# Altium PCB BMS-P00-V02.PcbDoc (continued)
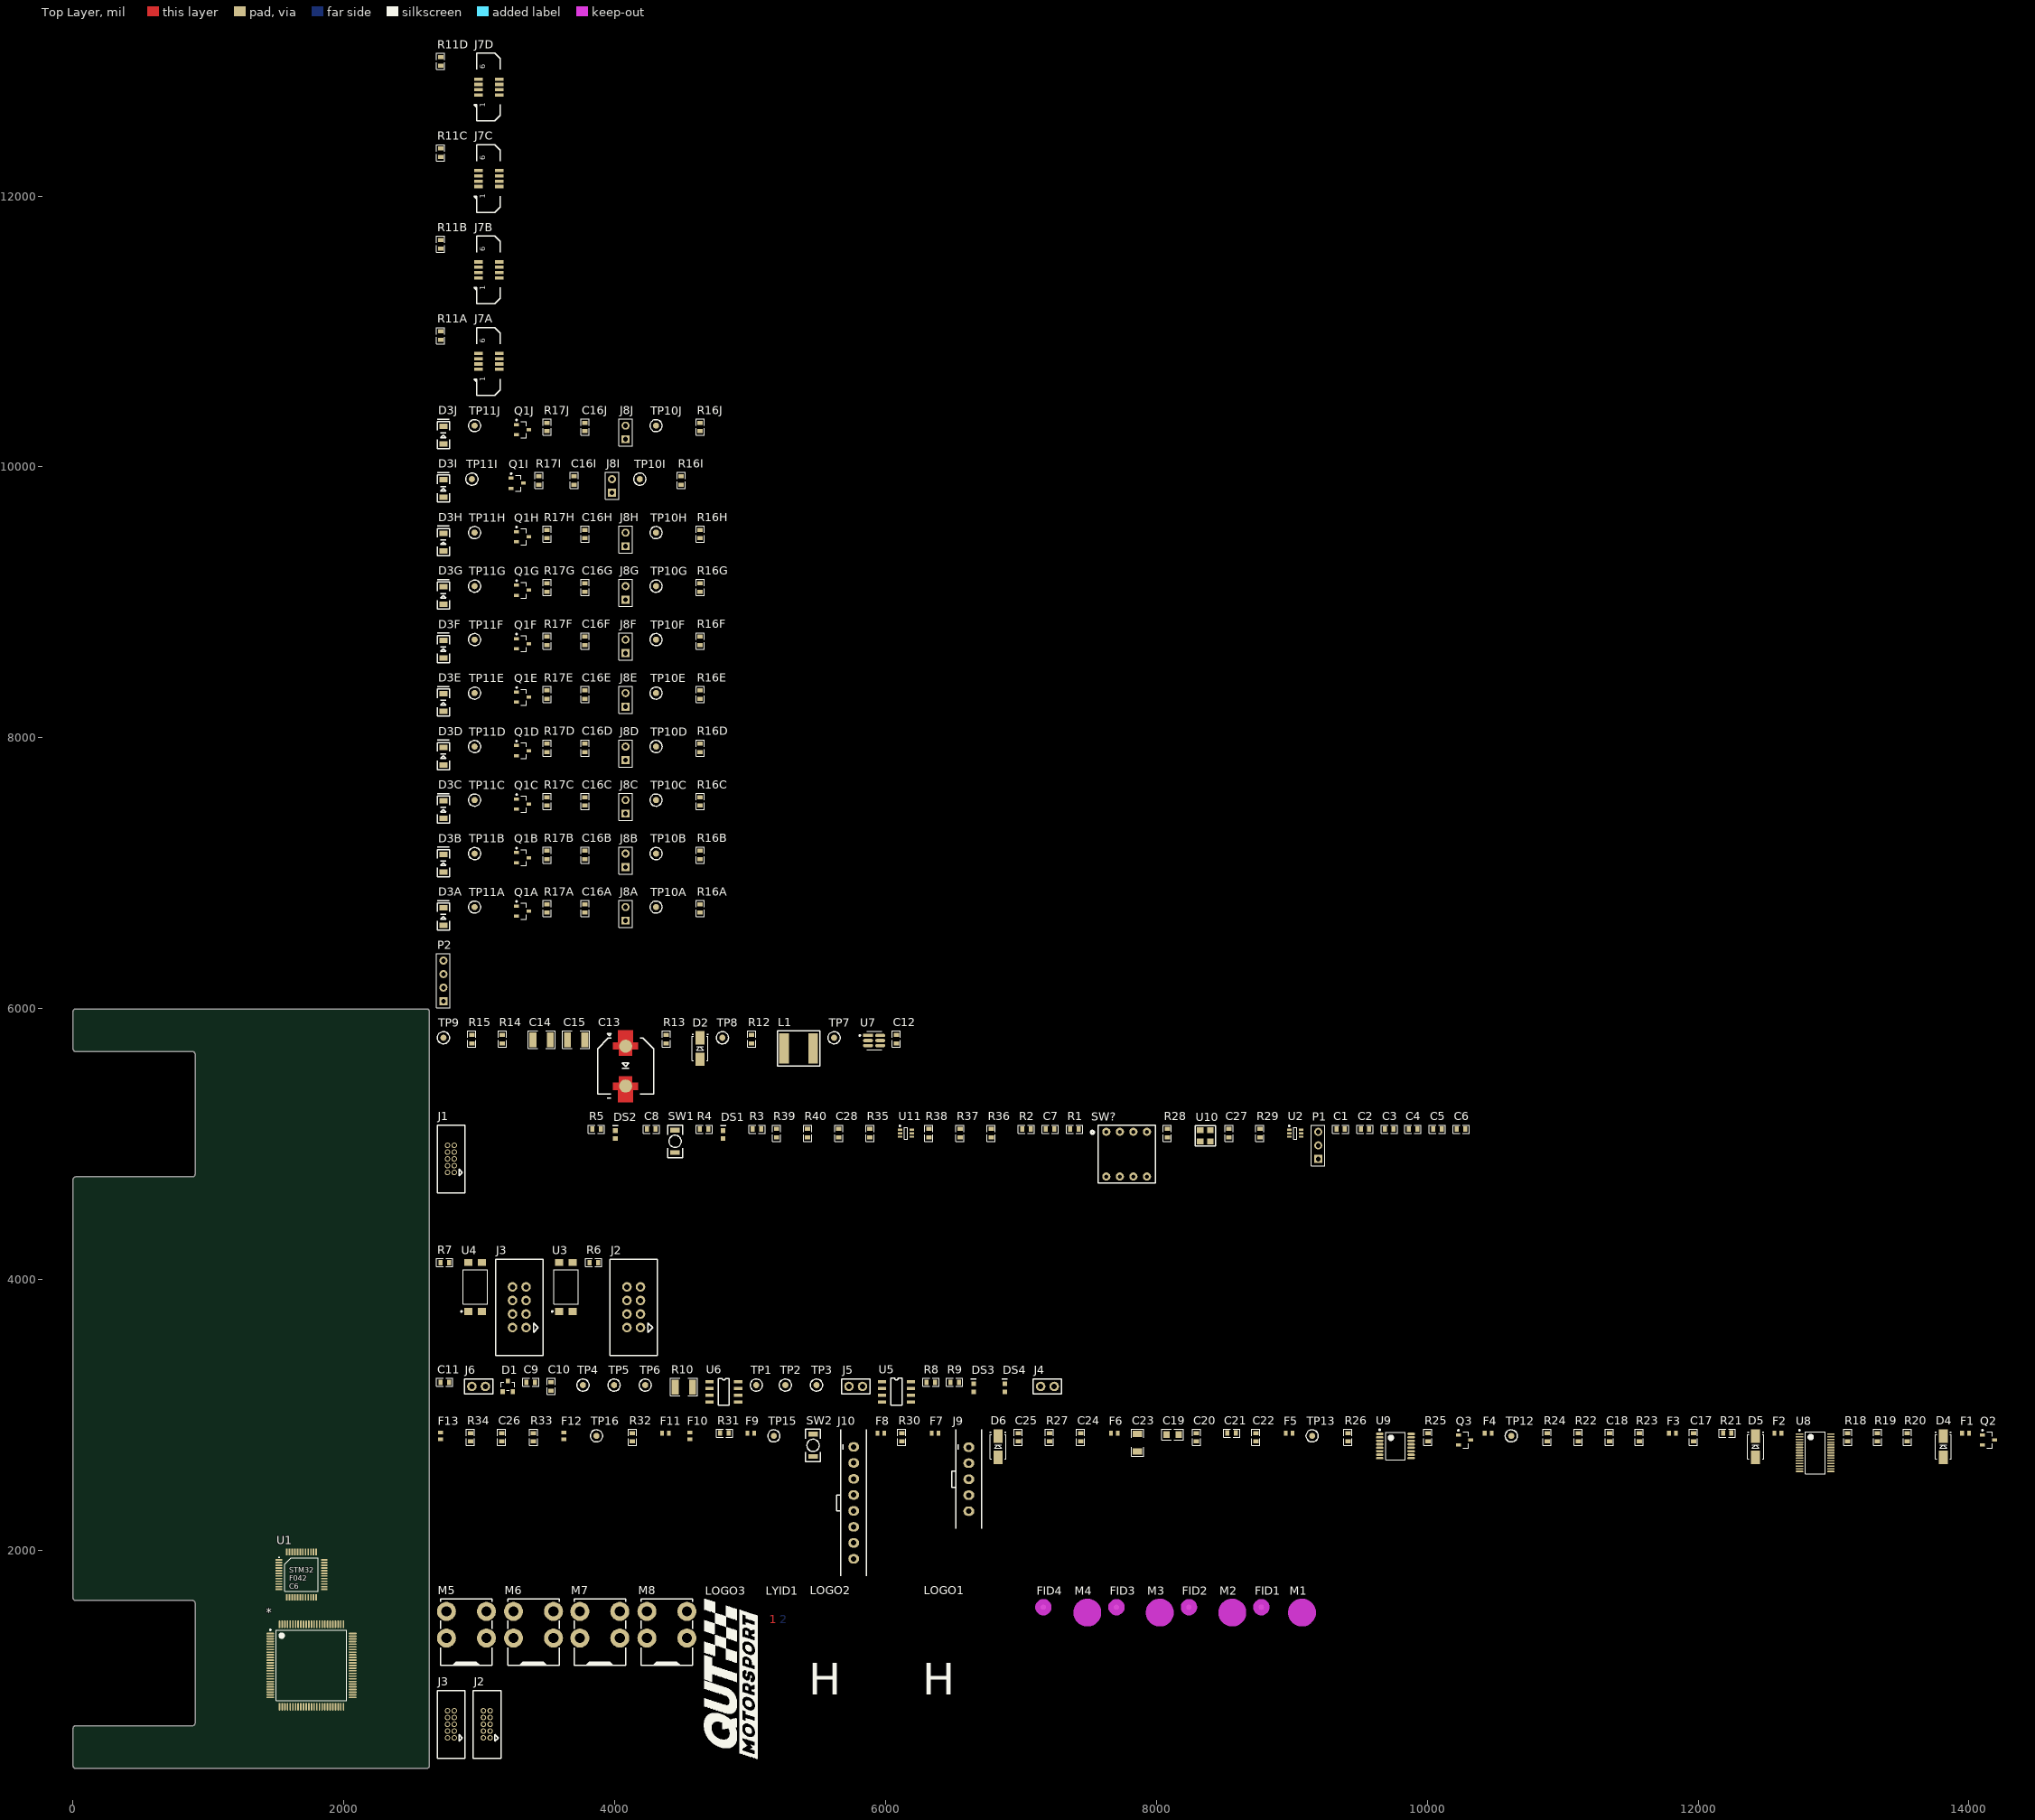
[diagram p0: Top Layer view]
## Components (designator, comment, footprint, x,y, rotation, side; value= is the part's Value field where it differs from the comment) (continued)
R9 "330R" Res_ThinFilm_0603 6510,3240 r0 top
R10 "120R 1% 1210" Res_ThinFilm_1210 4510,3205 r0 top
R11A "0R" Res_ThinFilm_0603 2715,10970 r90 top (schematic designator R11)
R11B "0R" Res_ThinFilm_0603 2715,11645 r90 top (schematic designator R11)
R11C "0R" Res_ThinFilm_0603 2715,12320 r90 top (schematic designator R11)
R11D "0R" Res_ThinFilm_0603 2715,12995 r90 top (schematic designator R11)
R12 "10k 1%" Res_ThinFilm_0603 5010,5775 r90 top
R13 "68k 5% 0603" Res_ThinFilm_0603 4380,5775 r90 top
R14 "620R 1%" Res_ThinFilm_0603 3170,5775 r90 top
R15 "20k 5% 0603" Res_ThinFilm_0603 2945,5775 r90 top
R16A "1k" Res_ThinFilm_0603 4630,6740 r90 top (schematic designator R16)
R16B "1k" Res_ThinFilm_0603 4630,7135 r90 top (schematic designator R16)
R16C "1k" Res_ThinFilm_0603 4630,7530 r90 top (schematic designator R16)
R16D "1k" Res_ThinFilm_0603 4630,7925 r90 top (schematic designator R16)
R16E "1k" Res_ThinFilm_0603 4630,8320 r90 top (schematic designator R16)
R16F "1k" Res_ThinFilm_0603 4630,8715 r90 top (schematic designator R16)
R16G "1k" Res_ThinFilm_0603 4630,9110 r90 top (schematic designator R16)
R16H "1k" Res_ThinFilm_0603 4630,9505 r90 top (schematic designator R16)
R16I "1k" Res_ThinFilm_0603 4490,9900 r90 top (schematic designator R16)
R16J "1k" Res_ThinFilm_0603 4630,10295 r90 top (schematic designator R16)
R17A "1k" Res_ThinFilm_0603 3500,6740 r90 top (schematic designator R17)
R17B "1k" Res_ThinFilm_0603 3500,7135 r90 top (schematic designator R17)
R17C "1k" Res_ThinFilm_0603 3500,7530 r90 top (schematic designator R17)
R17D "1k" Res_ThinFilm_0603 3500,7925 r90 top (schematic designator R17)
R17E "1k" Res_ThinFilm_0603 3500,8320 r90 top (schematic designator R17)
R17F "1k" Res_ThinFilm_0603 3500,8715 r90 top (schematic designator R17)
R17G "1k" Res_ThinFilm_0603 3500,9110 r90 top (schematic designator R17)
R17H "1k" Res_ThinFilm_0603 3500,9505 r90 top (schematic designator R17)
R17I "1k" Res_ThinFilm_0603 3440,9900 r90 top (schematic designator R17)
R17J "1k" Res_ThinFilm_0603 3500,10295 r90 top (schematic designator R17)
R18 "10k" Res_ThinFilm_0603 13105,2835 r90 top
R19 "10k" Res_ThinFilm_0603 13325,2835 r90 top
R20 "10M" Res_ThinFilm_0603 13545,2835 r90 top
R21 "10k" Res_ThinFilm_0603 12215,2865 r0 top
R22 "10k" Res_ThinFilm_0603 11115,2835 r90 top
R23 "0R" Res_ThinFilm_0603 11565,2835 r90 top
R24 "10k" Res_ThinFilm_0603 10885,2835 r90 top
R25 "100R" Res_ThinFilm_0603 10005,2835 r90 top
R26 "100R" Res_ThinFilm_0603 9415,2835 r90 top
R27 "10k" Res_ThinFilm_0603 7210,2835 r90 top
R28 "10k" Res_ThinFilm_0603 8080,5080 r90 top
R29 "10k 5% 0603" Res_ThinFilm_0603 8765,5080 r90 top
R30 "10k" Res_ThinFilm_0603 6120,2835 r90 top
R31 "10k" Res_ThinFilm_0603 4810,2865 r0 top
R32 "1k" Res_ThinFilm_0603 4130,2835 r90 top
R33 "10k" Res_ThinFilm_0603 3400,2835 r90 top
R34 "DNF 0603" Res_ThinFilm_0603 2935,2835 r90 top
R35 "10k" Res_ThinFilm_0603 5885,5080 r90 top
R36 "10k" Res_ThinFilm_0603 6780,5080 r90 top
R37 "10k" Res_ThinFilm_0603 6550,5080 r90 top
R38 "10k" Res_ThinFilm_0603 6320,5080 r90 top
R39 "2k2" Res_ThinFilm_0603 5195,5080 r90 top
R40 "2k2" Res_ThinFilm_0603 5425,5080 r90 top
SW1 "B3U-1000P" "BTN B3U-1000P" 4445,5020 r90 top
SW2 "B3U-1000P" "BTN B3U-1000P" 5465,2775 r90 top
SW? "SM1020" SM1020 7630,4760 r0 top
TP1 "TestPoint_SMD" TestPointSMD 5045,3220 r0 top
TP2 "TestPoint_SMD" TestPointSMD 5260,3220 r0 top
TP3 "TestPoint_SMD" TestPointSMD 5490,3220 r0 top
TP4 "TestPoint_SMD" TestPointSMD 3765,3220 r0 top
TP5 "TestPoint_SMD" TestPointSMD 3995,3220 r0 top
TP6 "TestPoint_SMD" TestPointSMD 4225,3220 r0 top
TP7 "TestPoint_SMD" TestPointSMD 5620,5785 r0 top
TP8 "TestPoint_SMD" TestPointSMD 4795,5785 r0 top
TP9 "TestPoint_SMD" TestPointSMD 2735,5785 r0 top
TP10A "TestPoint_SMD" TestPointSMD 4305,6750 r90 top (schematic designator TP10)
TP10B "TestPoint_SMD" TestPointSMD 4305,7145 r90 top (schematic designator TP10)
TP10C "TestPoint_SMD" TestPointSMD 4305,7540 r90 top (schematic designator TP10)
TP10D "TestPoint_SMD" TestPointSMD 4305,7935 r90 top (schematic designator TP10)
TP10E "TestPoint_SMD" TestPointSMD 4305,8330 r90 top (schematic designator TP10)
TP10F "TestPoint_SMD" TestPointSMD 4305,8725 r90 top (schematic designator TP10)
TP10G "TestPoint_SMD" TestPointSMD 4305,9120 r90 top (schematic designator TP10)
TP10H "TestPoint_SMD" TestPointSMD 4305,9515 r90 top (schematic designator TP10)
TP10I "TestPoint_SMD" TestPointSMD 4185,9910 r90 top (schematic designator TP10)
TP10J "TestPoint_SMD" TestPointSMD 4305,10305 r90 top (schematic designator TP10)
TP11A "TestPoint_SMD" TestPointSMD 2965,6750 r90 top (schematic designator TP11)
TP11B "TestPoint_SMD" TestPointSMD 2965,7145 r90 top (schematic designator TP11)
TP11C "TestPoint_SMD" TestPointSMD 2965,7540 r90 top (schematic designator TP11)
TP11D "TestPoint_SMD" TestPointSMD 2965,7935 r90 top (schematic designator TP11)
TP11E "TestPoint_SMD" TestPointSMD 2965,8330 r90 top (schematic designator TP11)
TP11F "TestPoint_SMD" TestPointSMD 2965,8725 r90 top (schematic designator TP11)
TP11G "TestPoint_SMD" TestPointSMD 2965,9120 r90 top (schematic designator TP11)
TP11H "TestPoint_SMD" TestPointSMD 2965,9515 r90 top (schematic designator TP11)
TP11I "TestPoint_SMD" TestPointSMD 2945,9910 r90 top (schematic designator TP11)
TP11J "TestPoint_SMD" TestPointSMD 2965,10305 r90 top (schematic designator TP11)
TP12 "TestPoint_SMD" TestPointSMD 10620,2845 r90 top
TP13 "TestPoint_SMD" TestPointSMD 9150,2845 r90 top
TP15 "TestPoint_SMD" TestPointSMD 5175,2845 r90 top
TP16 "TestPoint_SMD" TestPointSMD 3865,2845 r90 top
U1 "STM32F042C6" STM32F042C6 1520,1928.42 r0 top
U2 "LM66100" LM66100 9025,5080 r0 top
U3 "FOD817ASD" FOD817ASD 3640,3945 r90 top
U4 "FOD817ASD" FOD817ASD 2970,3945 r90 top
U5 "Si8621BC-B-IS" Si8621BC-B-IS 6080,3170 r0 top
U6 "SN65HVD233" SN65HVD233DR 4805,3170 r0 top
U7 "LMR14010" LMR14010 5915,5765 r0 top
U8 "BQ76930" bq76930 12865,2720 r0 top
U9 "BQ76200" BQ76200 9765,2770 r0 top
U10 "DSC1001DI1-008.0000T" DSC1001DI1-008.0000TCT-ND 8360,5060 r0 top
U11 "LM66100" LM66100 6150,5080 r0 top

## Footprints (in the part's own frame and the unit in brackets; to place one, negate y for a bottom-side part, rotate by r counter-clockwise, add the part's x,y. Pads: shape width x height; smd on the part's side, far side on the other; paste and mask are expansions set on the pad)
3412.0124.22 [mm] "5A Fuse"
  rect 0.7x0.95 smd: 1(-0.65,0) 2(0.65,0)
  body extent -0.8,-0.48 0.8,0.48, height 0.55
526100672 [mil] "Easy-On FFC/FPC Connector, 1.00mm Pitch, Slider Series, Vertical, 5.75mm Height, 6 Circuits, Gold Plating"
  rect 24x65 smd: 2(-59.06,76.77) 2(-59.06,-76.77) 3(-19.68,76.77) 3(-19.68,-76.77) 4(19.68,76.77) 4(19.68,-76.77) 5(59.06,76.77) 5(59.06,-76.77)
  silkscreen extent -250,-85 250,110, body extent -248,-89 248,89, height 224
BQ76200 [mm] "TSOP, 16-Leads, Body 5.00x4.40mm, Pitch 0.65mm, IPC Medium Density"
  oval 1.4x0.45 smd: 1(-2.95,2.275) 2(-2.95,1.625) 3(-2.95,0.975) 4(-2.95,0.325) 5(-2.95,-0.325) 6(-2.95,-0.975) 7(-2.95,-1.625) 8(-2.95,-2.275) 9(2.95,-2.275) 10(2.95,-1.625) 11(2.95,-0.975) 12(2.95,-0.325) 13(2.95,0.325) 14(2.95,0.975) 15(2.95,1.625) 16(2.95,2.275)
  silkscreen extent -3.07,-2.55 1.85,3.17, body extent -3.21,-2.55 3.22,2.55, height 1.11
bq76930 [mm] "TSSOP, 30-Leads, Body 7.80x4.40mm, Pitch 0.50mm, IPC Medium Density"
  oval 1.4x0.3 smd: 1(-2.95,3.5) 2(-2.95,3) 3(-2.95,2.5) 4(-2.95,2) 5(-2.95,1.5) 6(-2.95,1) 7(-2.95,0.5) 8(-2.95,0) 9(-2.95,-0.5) 10(-2.95,-1) 11(-2.95,-1.5) 12(-2.95,-2) 13(-2.95,-2.5) 14(-2.95,-3) 15(-2.95,-3.5) 16(2.95,-3.5) 17(2.95,-3) 18(2.95,-2.5) 19(2.95,-2) 20(2.95,-1.5) 21(2.95,-1) 22(2.95,-0.5) 23(2.95,0) 24(2.95,0.5) 25(2.95,1) 26(2.95,1.5) 27(2.95,2) 28(2.95,2.5) 29(2.95,3) 30(2.95,3.5)
  silkscreen extent -3.07,-3.95 1.85,4.32, body extent -2.25,-3.95 2.25,3.95, height 1.2
BST82,215 [mm] "SOT23, 3-Leads, Body 2.90x2.30mm, Pitch 0.95mm, IPC Medium Density"
  rect 0.9x0.6 smd: D(1.15,0) G(-1.15,0.95) S(-1.15,-0.95)
  silkscreen extent -1.27,-1.5 0.7,1.92, body extent -0.7,-1.5 0.7,1.5, height 1.1
"BTN B3U-1000P" [mil] "OMRON B3U-1000P"
  rect 35x70 smd: 1(-82.68,0) 2(82.68,0)
  silkscreen extent -120,-55 120,55, body extent -79,-49 79,49, height 63
CAP_ALU_10x10mm [mil]
  round 97.08 smd paste+0 mask+0: A(147.18,-0.5) K(-147.11,-0.5)
  Top Layer region: -76.74,-49.22 -76.74,49.21 -123.98,49.21 -123.98,92.52 -175.16,92.52 -175.16,55 -265,55 -265,-55 -175.16,-55 -175.16,-92.52 -123.98,-92.52 -123.98,-49.22
  Top Layer region: 76.8,-49.22 76.8,49.21 124.05,49.21 124.05,92.52 175.23,92.52 175.23,55 265,55 265,-55 175.23,-55 175.23,-92.52 124.05,-92.52 124.05,-49.22
  silkscreen extent -235,-207 240,207, body extent -236,-203 236,203, height 426
Cap_Ceramic_0603 [mil]
  rect 30x40 smd: 1(-31.24,0) 2(31.24,0)
  silkscreen extent -60,-30 60,30, body extent -31,-16 32,16, height 33
Cap_Ceramic_0805 [mil]
  rect 45x50 smd: 1(-45.43,0) 2(45.43,0)
  silkscreen extent -80,-40 80,40, body extent -39,-26 39,26, height 43
Cap_Ceramic_1206 [mil]
  rect 47x71 smd: 1(-66.08,0) 2(66.08,0)
  silkscreen extent -100,-45 100,45, body extent -63,-31 63,32, height 53
Cap_Ceramic_1210 [mm]
  rect 1.3x2.8 smd: 1(-1.625,0) 2(1.625,0)
  silkscreen extent -2.54,-1.65 2.54,1.65, body extent -1.6,-1.25 1.6,1.25, height 1.35
DSC1001DI1-008.0000TCT-ND [mil]
  rect 48x43 smd: 1(-37.4,41.34) 2(-37.4,-41.34) 3(37.4,-41.34) 4(37.4,41.34)
  silkscreen extent -75,-75 75,75, body extent -49,-63 49,63, height 33
"FIDUCIAL 1MM" [mm]
  round 1 smd mask+1: 1(0,0)
  round 1 smd far side mask+1: 1(0,0)
  Keep-Out Layer circle w1.524: c0,0 r0.762
FOD817ASD [mm]
  rect 1.3x1.5 smd: 1(-4.6,1.27) 2(-4.6,-1.27) 3(4.6,-1.27) 4(4.6,1.27)
  silkscreen extent -4.72,-2.3 3.25,2.69, body extent -5.08,-2.3 5.08,2.3, height 3.85
HDR1X2 [mm] "Connector; Header; 2 Position"
  rect 1.5x1.5 hole 0.9: 1(0,0)
  round 1.5 hole 0.9: 2(2.54,0)
  silkscreen extent -1.27,-1.27 3.81,1.27
HDR1X3 [mm] "Connector; Header; 3 Position"
  rect 1.5x1.5 hole 0.9: 1(0,0)
  round 1.5 hole 0.9: 2(2.54,0) 3(5.08,0)
  silkscreen extent -1.27,-1.27 6.35,1.27
HDR1X4 [mm] "Connector; Header; 4 Position"
  rect 1.5x1.5 hole 0.9: 1(0,0)
  round 1.5 hole 0.9: 2(2.54,0) 3(5.08,0) 4(7.62,0)
  silkscreen extent -1.27,-1.27 8.89,1.27
"IDC 1.27MM 10P" [mil]
  round 40 hole 25: 1(-100,-25) 2(-100,25) 3(-50,-25) 4(-50,25) 5(0,-25) 6(0,25) 7(50,-25) 8(50,25) 9(100,-25) 10(100,25)
  silkscreen extent -250,-105 250,100, body extent -249,-104 249,100, height 214
"IDC 2.54MM 8P" [mil]
  round 70 hole 40: 1(-150,-50) 2(-150,50) 3(-50,-50) 4(-50,50) 5(50,-50) 6(50,50) 7(150,-50) 8(150,50)
  silkscreen extent -355,-175 355,175, body extent -354,-177 354,173, height 355
Inductor_6x6mm [mm]
  rect 1.8x5.7 smd: 1(-2.667,0) 2(2.794,0)
  silkscreen extent -3.94,-3.3 4.06,3.3, body extent -3,-3 3,3, height 4.56
Jumper_2Way_Pin [mil]
  round 70 hole 40: 1(-100,0) 2(0,0)
  silkscreen extent -155,-55 55,55, body extent -142,-48 42,47, height 332
"Keystone 7790" [mil] "4 Pin Screw Terminal, Power Tap M3 Through Hole, Right Angle"
  round 140 hole 75: 0(-147.64,-98.43) 0(-147.64,98.43) 0(147.64,-98.43) 0(147.64,98.43)
  silkscreen extent -190,-300 190,190, body extent -195,-300 185,153, height 322
"LAYER IDENT 2" [mil]
  Top Layer pour cut-out: -90,50 -90,-50 90,-50 90,50
  Bottom Layer pour cut-out: -90,50 -90,-50 90,-50 90,50
"LBL HV MEDIUM" [mil]
"LED BLUE 0603" [mil]
  rect 35x35 smd: 1(-30,0) 2(30,0)
  silkscreen extent 65,-20 65,20, body extent -40,-20 40,20, height 30
"LED ORANGE 0603" [mil]
  rect 35x35 smd: 1(-30,0) 2(30,0)
  silkscreen extent 65,-20 65,20, body extent -40,-20 40,20, height 30
LM66100 [mm] "Diode, 5.5V"
  rect 0.85x0.4 smd: 1(-1.125,0.65) 2(-1.125,0) 3(-1.125,-0.65) 4(1.125,-0.65) 5(1.125,0) 6(1.125,0.65)
  silkscreen extent -1.25,-1.1 0.3,1.52, body extent -0.7,-1.07 0.7,1.08, height 1.1
LMR14010 [mil]
  rect 73.01x24.1 smd paste+0 mask+0: 1(-44.73,36.75)
  rrect100% 73.01x24.1 smd paste+0 mask+0: 2(-44.73,-0.65) 3(-44.73,-38.05) 4(45.84,-38.05) 5(45.84,-0.65) 6(45.84,36.75)
  silkscreen extent -110,-68 56,66, body extent -55,-58 56,56, height 43
LQFP(100) [mm] "TSQFP, 100-Leads, Body 14.00x14.00mm, Pitch 0.50mm, IPC Medium Density"
  oval 1.45x0.3 smd: 1(-7.725,6) 2(-7.725,5.5) 3(-7.725,5) 4(-7.725,4.5) 5(-7.725,4) 6(-7.725,3.5) 7(-7.725,3) 8(-7.725,2.5) 9(-7.725,2) 10(-7.725,1.5) 11(-7.725,1) 12(-7.725,0.5) 13(-7.725,0) 14(-7.725,-0.5) 15(-7.725,-1) 16(-7.725,-1.5) 17(-7.725,-2) 18(-7.725,-2.5) 19(-7.725,-3) 20(-7.725,-3.5) 21(-7.725,-4) 22(-7.725,-4.5) 23(-7.725,-5) 24(-7.725,-5.5) 25(-7.725,-6) 51(7.725,-6) 52(7.725,-5.5) 53(7.725,-5) 54(7.725,-4.5) 55(7.725,-4) 56(7.725,-3.5) 57(7.725,-3) 58(7.725,-2.5) 59(7.725,-2) 60(7.725,-1.5) 61(7.725,-1) 62(7.725,-0.5) 63(7.725,0) 64(7.725,0.5) 65(7.725,1) 66(7.725,1.5) 67(7.725,2) 68(7.725,2.5) 69(7.725,3) 70(7.725,3.5) 71(7.725,4) 72(7.725,4.5) 73(7.725,5) 74(7.725,5.5) 75(7.725,6)
  oval 0.3x1.45 smd: 26(-6,-7.725) 27(-5.5,-7.725) 28(-5,-7.725) 29(-4.5,-7.725) 30(-4,-7.725) 31(-3.5,-7.725) 32(-3,-7.725) 33(-2.5,-7.725) 34(-2,-7.725) 35(-1.5,-7.725) 36(-1,-7.725) 37(-0.5,-7.725) 38(0,-7.725) 39(0.5,-7.725) 40(1,-7.725) 41(1.5,-7.725) 42(2,-7.725) 43(2.5,-7.725) 44(3,-7.725) 45(3.5,-7.725) 46(4,-7.725) 47(4.5,-7.725) 48(5,-7.725) 49(5.5,-7.725) 50(6,-7.725) 76(6,7.725) 77(5.5,7.725) 78(5,7.725) 79(4.5,7.725) 80(4,7.725) 81(3.5,7.725) 82(3,7.725) 83(2.5,7.725) 84(2,7.725) 85(1.5,7.725) 86(1,7.725) 87(0.5,7.725) 88(0,7.725) 89(-0.5,7.725) 90(-1,7.725) 91(-1.5,7.725) 92(-2,7.725) 93(-2.5,7.725) 94(-3,7.725) 95(-3.5,7.725) 96(-4,7.725) 97(-4.5,7.725) 98(-5,7.725) 99(-5.5,7.725) 100(-6,7.725)
  silkscreen extent -7.85,-6.6 6.6,6.82, body extent -8,-8 8,8, height 1.6
"M3.2 UNPLATED" [mm]
  round 0 hole 3.2 unplated mask+2.6: 1(0,0)
  Keep-Out Layer circle w2.667: c0,0 r1.27
Microfit_1X5_V_TH [mil]
  oval 70x80 hole 40: 1(236.22,0) 2(118.11,0) 3(0,0) 4(-118.11,0) 5(-236.22,0)
  round 0 hole 95 unplated: NC(-320.87,0) NC(320.87,0)
  silkscreen extent -365,-95 365,125, body extent -367,-97 367,123, height 395
Microfit_1X8_V_TH [mil]
  oval 70x80 hole 40: 1(413.39,0) 2(295.28,0) 3(177.17,0) 4(59.06,0) 5(-59.06,0) 6(-177.17,0) 7(-295.28,0) 8(-413.39,0)
  round 0 hole 95 unplated: NC(-498.03,0) NC(498.03,0)
  silkscreen extent -540,-95 540,125, body extent -544,-97 544,123, height 395
NUP2105L [mm]
  rect 0.8x0.9 smd: 1(-0.95,-1) 2(0.95,-1) 3(0,1)
  silkscreen extent -1.27,-0.76 1.27,0.76, body extent -1.45,-1.22 1.45,1.18, height 1
PMV15UNEAR [mm] "SOT23, 3-Leads, Body 2.90x2.30mm, Pitch 0.95mm, IPC Medium Density"
  rect 0.9x0.6 smd: D(1.15,0) G(-1.15,0.95) S(-1.15,-0.95)
  silkscreen extent -1.27,-1.5 0.7,1.92, body extent -0.7,-1.5 0.7,1.5, height 1.1
"QUTMS LOGO 30MM" [mil]
  silkscreen extent -1,1 1182,398
Res_ThinFilm_0603 [mil]
  rect 30x40 smd: 1(-31.24,0) 2(31.24,0)
  silkscreen extent -60,-30 60,30, body extent -31,-16 32,16, height 18
Res_ThinFilm_1210 [mm]
  rect 1.3x2.8 smd: 1(-1.625,0) 2(1.625,0)
  silkscreen extent -2.54,-1.65 2.54,1.65, body extent -1.6,-1.25 1.6,1.25, height 0.6
Si8621BC-B-IS [mm]
  rect 1.55x0.6 smd: 1(-2.7,1.905) 2(-2.7,0.635) 3(-2.7,-0.635) 4(-2.7,-1.905) 5(2.7,-1.905) 6(2.7,-0.635) 7(2.7,0.635) 8(2.7,1.905)
  silkscreen extent -1.04,-2.54 1.04,2.54, body extent -3.01,-2.45 3.01,2.45, height 1.63
SM1020 [mil]
  round 60 hole 30: 1(0,330.71) 2(100,330.71) 3(200,330.71) 4(300,330.71) 5(0,0) 6(100,0) 7(200,0) 8(300,0)
  silkscreen extent -117,-47 362,378, body extent -30,0 331,331, height 118
SMA [mm]
  rect 2.5x1.7 smd: A(-2,0) K(2,0)
  silkscreen extent -2.3,-1.52 2.67,1.52, body extent -2.52,-1.46 2.52,1.46, height 2.4
SN65HVD233DR [mm]
  rect 1.55x0.6 smd: 1(-2.7,1.903) 2(-2.7,0.633) 3(-2.7,-0.637) 4(-2.7,-1.907) 5(2.7,-1.907) 6(2.7,-0.637) 7(2.7,0.633) 8(2.7,1.903)
  silkscreen extent -1.04,-2.54 1.04,2.54, body extent -3.01,-2.45 3.01,2.45, height 1.63
SOD123 [mil]
  rect 40x60 smd: A(-65,0) K(65,0)
  silkscreen extent -100,-45 118,45, body extent -74,-33 74,33, height 47
STM32F042C6 [mm]
  rect 1.2x0.3 smd: 1(0,0) 2(0,-0.5) 3(0,-1) 4(0,-1.5) 5(0,-2) 6(0,-2.5) 7(0,-3) 8(0,-3.5) 9(0,-4) 10(0,-4.5) 11(0,-5) 12(0,-5.5) 25(8.5,-5.5) 26(8.5,-5) 27(8.5,-4.5) 28(8.5,-4) 29(8.5,-3.5) 30(8.5,-3) 31(8.5,-2.5) 32(8.5,-2) 33(8.5,-1.5) 34(8.5,-1) 35(8.5,-0.5) 36(8.5,0)
  rect 0.3x1.2 smd: 13(1.5,-7) 14(2,-7) 15(2.5,-7) 16(3,-7) 17(3.5,-7) 18(4,-7) 19(4.5,-7) 20(5,-7) 21(5.5,-7) 22(6,-7) 23(6.5,-7) 24(7,-7) 37(7,1.5) 38(6.5,1.5) 39(6,1.5) 40(5.5,1.5) 41(5,1.5) 42(4.5,1.5) 43(4,1.5) 44(3.5,1.5) 45(3,1.5) 46(2.5,1.5) 47(2,1.5) 48(1.5,1.5)
  silkscreen extent -0.13,-5.86 7.36,0.51, body extent -0.27,-7.26 8.76,1.77, height 1.5
TestPointSMD [mil]
  round 45 smd: 1(0,0)
  silkscreen extent -45,-45 45,45

## Part data
*: "100 pin MCU"
C1 C3 C5 C7 C8 C9 C10 C11 C27 C28: library part "100nF 50V 5% X7R 0603", "Capacitor, Ceramic, SMD, 100nF, 50V, 5%, X7R, 0603"
C2 C4 C6: library part "4u7 50V 5% X7R 0603", "Capacitor, Ceramic, SMD, 4u7, 50V, 5%, X7R, 0603"
C12: library part "100nF 100V 5% X7R 0603", "Capacitor, Ceramic, SMD, 100nF, 100V, 5%, X7R, 0603"
C13: "Capacitor, AluPoly, SMD, 47uF, 80V, 10%, AluPoly, 10x10mm"
C14 C15: library part "47uF 16V 10% X7R 1210", "Capacitor, Ceramic, SMD, 47uF, 16V, 5%, X7R, 1210"
C16A C16B C16C C16D C16E C16F C16G C16H C16I C16J C17 C20 C25 C26: library part "220nF 50V 5% X7R 0603", "Capacitor, Ceramic, SMD, 220nF, 50V, 5%, X7R, 0603"
C18 C21 C24: library part "1uF 25V 5% X7R 0603", "Capacitor, Ceramic, SMD, 1uF, 25V, 5%, X7R, 0603"
C19: library part "10uF 25V 5% X7R 0805_1", "Capacitor, Ceramic, SMD, 10uF, 25V, 5%, X7R, 0805"
C22: library part "470nF 50V 5% X7R 0603", "Capacitor, Ceramic, SMD, 470nF, 50V, 5%, X7R, 0603"
C23: library part "10uF 25V 10% X7R 1206", "Capacitor, Ceramic, SMD, 10uF, 25V, 10%, X7R, 1206"
D2: "Diode, Schottky Barrier Rectifier, 60 V, 2 A, B260A-13-F"
D3A D3B D3C D3D D3E D3F D3G D3H D3I D3J: "Diode, SMD, Zender, 5.6V, 7%, 500mW, SOD-123", Manufacturer=Generic, MPN="1.8V 500mW"
D4 D5 D6: "Diode, SMD, 75V, 5%, 250mA, SOD123", Average Rectified Current=150mA, Forward Voltage=1V, Manufacturer="ON Semiconductor / Fairchild", Manufacturer Part Number=1N914BWS, Max Forward Surge Current (Ifsm)=4A, Max Operating Temperature=150°C, Max Repetitive Reverse Voltage (Vrrm)=75V, Max Reverse Leakage Current=5uA, Min Operating Temperature=-55°C, Package Quantity=1, Power Dissipation=200mW, Category="Rectifier Diodes", Contact Plating=Tin,Matte, Element Configuration=Single, Forward Current=150mA, Height=1mm, Lead Free="Lead Free", Length=1.8mm, Max Reverse Voltage (DC)=75V, Mount="Surface Mount", Number of Pins=2, Packaging="Tape and Reel", Peak Reverse Current=5uA, Radiation Hardening=No, REACH SVHC="No SVHC", Recovery Time=4ns, Reverse Recovery Time=4ns, Reverse Voltage=75V, Weight=0.0276g, Width=1.35mm
DS1 DS2: library part "LED ORANGE 0603"
DS3 DS4: library part "LED BLUE 0603"
F1 F2 F3 F4 F5 F6 F7 F8 F9 F10 F11 F12 F13: "FUSE BOARD MOUNT 5A 63VDC 0603"
J2 J3: "IDC 8P 2x5"
J4 J5 J6: library part "Jumper 2Way Side Pins", "Jumper 2Way Side Pins"
J7A J7B J7C J7D: library part 6PinMOLEX
J8A J8B J8C J8D J8E J8F J8G J8H J8I J8J: library part "Header 2", "Header, 2-Pin", LatestRevisionDate=17-Jul-2002, LatestRevisionNote="Re-released for DXP Platform.", Publisher="Altium Limited"
J9: library part Microfit_1x5
J10: library part Microfit_1x8
L1: "FIXED IND 220UH 660MA 850 MOHM", ComponentLink1Description=Digikey, ComponentLink1URL=https://www.digikey.com.au/product-detail/en/w%C3%BCrth-elektronik/74404064221/732-7261-1-ND/5353241, ComponentLink2Description="LCSC A", ComponentLink2URL=https://lcsc.com/product-detail/Power-Inductors_Sunlord-SWPA6045S221MT_C91047.html, ComponentLink3Description="LCSC B", ComponentLink3URL=https://lcsc.com/product-detail/Power-Inductors_SXN-Shun-Xiang-Nuo-Elec-SMNR6045-221MT_C467145.html
LOGO3: library part "QUTMS Logo 30mm"
LYID1: library part "Layer Identification 2"
M1 M2 M3 M4: "M3.2 Hole, No Plating"
M5 M6 M7 M8: "SNAP-INPC MOUNT"
P1: library part "Header 3", "Header, 3-Pin", LatestRevisionDate=17-Jul-2002, LatestRevisionNote="Re-released for DXP Platform.", Publisher="Altium Limited"
P2: "Header, 4-Pin", LatestRevisionDate=17-Jul-2002, LatestRevisionNote="Re-released for DXP Platform.", Publisher="Altium Limited"
Q1A Q1B Q1C Q1D Q1E Q1F Q1G Q1H Q1I Q1J: library part PMV15UNEAR, "MOSFET N-CH, 20V, SOT23", Manufacturer=Nexperia, Manufacturer Part Number=PMV15UNEAR
Q2 Q3: "MOSFET N-CH, 20V, SOT23"
R1 R2 R18 R19 R21 R22 R24 R27 R30 R31 R33 R36 R37 R38: library part "10k 5% 0603", "Resistor, SMD, 10k, 0.1W, 5%, 0603"
R3: library part "4k7 5% 0603", "Resistor, SMD, 4k7, 0.1W, 5%, 0603"
R4 R5 R8 R9: library part "330R 5% 0603", "Resistor, SMD, 330R, 0.1W, 5%, 0603"
R6 R25 R26: library part "100R 5%, 0603", "Resistor, SMD, 100R, 0.1W, 5%, 0603"
R7: library part "150R 5% 0603", "Resistor, SMD, 150R, 0.1W, 5%, 0603"
R10: "Resistor, SMD, 120R, 0.25W, 1%, 1210"
R11A R11B R11C R11D R23: library part "0R 5% 0603", "Resistor, SMD, 0R, 0.1W, 5%, 0603"
R12 R28 R35: library part "10k 1% 0603", "Resistor, SMD, 10k, 0.1W, 1%, 0603"
R13: "Resistor, SMD, 68k, 0.1W, 5%, 0603"
R14: library part "620R 1% 0603", "Resistor, SMD, 680R, 0.1W, 5%, 0603"
R15: "Resistor, SMD, 20k, 0.1W, 5%, 0603"
R16A R16B R16C R16D R16E R16F R16G R16H R16I R16J R17A R17B R17C R17D R17E R17F R17G R17H R17I R17J R32: library part "1k 5% 0603", "Resistor, SMD, 1k, 0.1W, 5%, 0603"
R20: library part "10M 5% 0603", "Resistor, SMD, 10M, 0.1W, 5%, 0603"
R29: "Resistor, SMD, 10k, 0.1W, 5%, 0603"
R34: "Resistor, SMD, DNF, 0.1W, 0603"
R39 R40: library part "2k2 5% 0603", "Resistor, SMD, 2k2, 0.1W, 5%, 0603"
SW1 SW2: library part "BTN B3U-1000P", "Omron B3U-1000P Ultra Miniture Switch", ComponentLink1Description=LCSC, ComponentLink1URL=https://lcsc.com/product-detail/Tactile-Switches_BRIGHT-TSA063G50-250_C294565.html
SW?: "4 Pin DIL Switch"
U1: "ARM® Cortex®-M0 STM32F0 Microcontroller IC 32-Bit 48MHz 32KB (32K x 8) FLASH 48-LQFP (7x7)", ComponentLink1Description=Digikey, ComponentLink1URL=https://www.digikey.com.au/product-detail/en/stmicroelectronics/STM32F042C6T6TR/497-19319-1-ND/10063344, ComponentLink2Description=Datasheet, ComponentLink2URL=https://www.st.com/resource/en/datasheet/stm32f042k6.pdf
U2 U11: "Diode, SMD, 5.5V, 1.5A, SC-70", Average Rectified Current=150mA, Forward Voltage=1V, Manufacturer="ON Semiconductor / Fairchild", Manufacturer Part Number=1N914BWS, Max Forward Surge Current (Ifsm)=4A, Max Operating Temperature=150°C, Max Repetitive Reverse Voltage (Vrrm)=75V, Max Reverse Leakage Current=5uA, Min Operating Temperature=-55°C, Package Quantity=1, Power Dissipation=200mW, Category="Rectifier Diodes", Contact Plating=Tin,Matte, Element Configuration=Single, Forward Current=150mA, Height=1mm, Lead Free="Lead Free", Length=1.8mm, Max Reverse Voltage (DC)=75V, Mount="Surface Mount", Number of Pins=2, Packaging="Tape and Reel", Peak Reverse Current=5uA, Radiation Hardening=No, REACH SVHC="No SVHC", Recovery Time=4ns, Reverse Recovery Time=4ns, Reverse Voltage=75V, Weight=0.0276g, Width=1.35mm
U3 U4: "Optoisolator 5kV Transistor 4SMD"
U8: "Battery Monitoring/Fuel Gauge Li-Ion/Li-Polymer/LiFePO4 0V to 16V 30-Pin TSSOP T/R", Case/Package=TFSOP, Manufacturer="Texas Instruments", Manufacturer Part Number=BQ7693003DBTR, Max Operating Temperature=85°C, Min Operating Temperature=-40°C, Operating Supply Voltage=25V, Output Voltage=16V, Package Quantity=2000, Supplier Part Number 1=296-39961-1-ND, Category="Battery Management", ComponentLink1Description=http://www.ti.com/lit/gpn/bq76930?src-supplier=Mouser, ComponentLink1URL=http://www.ti.com/lit/gpn/bq76930?src-supplier=Mouser, ComponentLink2Description=http://www.ti.com/lit/ds/symlink/bq76930.pdf?src-supplier=Digi-Key, ComponentLink2URL=http://www.ti.com/lit/ds/symlink/bq76930.pdf?src-supplier=Digi-Key, ComponentLink3Description=http://www.ti.com/lit/pdf/slpt038?src-supplier=Digi-Key, ComponentLink3URL=http://www.ti.com/lit/pdf/slpt038?src-supplier=Digi-Key, ComponentLink4Description=http://www.ti.com/general/docs/lit/getliterature.tsp?genericPartNumber=BQ76920&amp;&amp;fileType=pdf&src-supplier=Avnet+Asia, ComponentLink4URL=http://www.ti.com/general/docs/lit/getliterature.tsp?genericPartNumber=BQ76920&amp;&amp;fileType=pdf&src-supplier=Avnet+Asia, ComponentLink5Description=http://www.ti.com/general/docs/lit/getliterature.tsp?genericPartNumber=BQ76920&&fileType=pdf&src-supplier=Avnet, ComponentLink5URL=http://www.ti.com/general/docs/lit/getliterature.tsp?genericPartNumber=BQ76920&&fileType=pdf&src-supplier=Avnet, Contact Plating=Gold, Fault Protection="Over Current,Short Circuit,Over/Under Voltage", Interface=I2C, InternalPart=Test1234, Lead Free="Lead Free", Mount="Surface Mount", Number of Pins=30, Packaging="Tape and Reel", Pricing 1="1=4.66000, 10=4.18900, 25=3.96000, 100=3.25600, 250=2.92160, 500=2.81600, 1000=2.34080 (USD)", RoHS=Yes, Stock 1=4521, Supplier 1=Digi-Key, Weight=0.003439oz
U9: library part BQ76200PWR, "High-voltage battery pack front-end charge/discharge high-side NFET driver", Manufacturer="Texas Instruments", MPN=BQ76200PWR
U10: "8MHz XO (Standard) CMOS Oscillator 1.8 ~ 3.3V Standby (Power Down) 4-SMD, No Lead"
D1: ComponentLink1Description=Datasheet, ComponentLink1URL=https://www.onsemi.cn/PowerSolutions/document/NUP2105L-D.PDF, ComponentLink2Description=LCSC, ComponentLink2URL=https://lcsc.com/product-detail/TVS_ON-Semiconductor-NUP2105LT1G_C14486.html, ComponentLink3Description=Digikey, ComponentLink3URL=https://www.digikey.com.au/product-detail/en/on-semiconductor/SZNUP2105LT1G/SZNUP2105LT1GOSCT-ND/3487669
U5: ComponentLink1Description=Digikey, ComponentLink1URL=https://www.digikey.com.au/product-detail/en/silicon-labs/SI8621BC-B-ISR/336-4774-1-ND/8611005, ComponentLink2Description=Datasheet, ComponentLink2URL=https://www.silabs.com/documents/public/data-sheets/si861x-2x-datasheet.pdf
U6: ComponentLink1Description=LCSC, ComponentLink1URL=https://lcsc.com/product-detail/CAN-ICs_Texas-Instruments_SN65HVD233DRG4_Texas-Instruments-Texas-Instruments-SN65HVD233DRG4_C61643.html, ComponentLink2Description=Digikey, ComponentLink2URL=https://www.digikey.com.au/product-detail/en/texas-instruments/SN65HVD233DR/296-35967-1-ND/4134960, ComponentLink3Description=Datasheet, ComponentLink3URL=https://www.ti.com/lit/ds/symlink/sn65hvd233.pdf?ts=1588560888178, ComponentLink4Description="Ti Product Page", ComponentLink4URL=https://www.ti.com/product/SN65HVD233

## Nets (pads, with @x,y where several pads share a name; then routed paths per layer and width w, separated by ;. In a path a pad name is that pad's centre, name@x,y a point inside that pad or via, vN(x,y) a via of type N, cw(c..) or ccw(c..) an arc to the next point about the centre after c; other vN are vias at no path point)
3V3: C10.2 C14.2 C15.2 C27.2 J4.1 L1.2 P2.1 R1.2 R2.2 R6.2 R13.2 R28.2 R37.2 R38.2 TP7.1 U2.1 U5.1
"3V3 LDO": C19.2 C28.2 U2.3 U8.8 U11.1
"3V3 MCU": C1.2 C2.2 C3.2 C4.2 C5.2 C6.2 C7.2 J1.1 R3.2 R4.2 R5.2 R35.2 R39.2 R40.2 U1.1 U1.9 U1.24 U1.36 U1.48 U2.6 U10.4 U11.6
36V: C13.A Q2.S R12.2 R20.2 U7.5
"BMS BOOT": R31.2 SW2.1 TP15.1 U4.3 U8.6
"BMS BOOT ISO": J2.1@4190,3645 J3.1@3345,3645 R7.1
"BMS BOOT REF": R30.1 SW2.2 U4.4
"BMS nALARM IN": J2.7@4190,3945 U3.4
"BMS nALARM OUT": J3.7@3345,3945 U3.3
"BMS nALARM RETURN": J2.8@4090,3945 J3.8@3245,3945
C0: F13.1 J10.8
C10: F1.1 J10.1
"CAN H": D1.2 J2.4@4090,3745 J3.4@3245,3745 J5.1 TP1.1 U6.7
"CAN L": D1.1 J2.3@4190,3745 J3.3@3345,3745 R10.1 TP4.1 U6.6
"CAN LBK": J6.2 U6.5
"CAN LED": DS3.1 DS4.1 J4.2
"CAN RX": J3.5@2815,715 R9.1 TP6.1 U1.32 U5.3
"CAN RX LED": DS4.2 R9.2
"CAN TX": J3.7@2815,765 R8.1 TP3.1 U1.33 U5.2
"CAN TX LED": DS3.2 R8.2
"CELL ALERT": J2.7@3080,765 J2.8@3030,765 R32.2 R35.1 R39.1 R40.1 SW?.5 SW?.6 SW?.7 SW?.8 U1.10 U1.11 U1.12 U1.18 U1.19 U1.20 U1.21 U1.22 U1.25 U1.26 U1.42 U1.43 U1.46 U8.4 U8.5 U11.5
CV0: F12.1 J10.7
CV1: F11.1 J9.5
CV2: F10.1 J10.6
CV3: F9.1 J9.4
CV4: F8.1 J10.5
CV5: F7.1 J9.3
CV6: F6.1 J10.4
CV7: F5.1 J9.2
CV8: F4.1 J10.3
CV9: F3.1 J9.1
CV10: F2.1 J10.2
CVF0: D3A.A F12.2 Q1A.S R33.1 R34.2
CVF1: D3B.A F11.2 J8A.1 Q1B.S R16A.1 R30.2 TP10A.1
CVF2: D3C.A F10.2 J8B.1 Q1C.S R16B.1 TP10B.1
CVF3: D3D.A F9.2 J8C.1 Q1D.S R16C.1 TP10C.1
CVF4: D3E.A F8.2 J8D.1 Q1E.S R16D.1 TP10D.1
CVF5: D3F.A F7.2 J8E.1 Q1F.S R16E.1 R24.2 R27.1 TP10E.1
CVF6: D3G.A F6.2 J8F.1 Q1G.S R16F.1 TP10F.1
CVF7: D3H.A F5.2 J8G.1 Q1H.S R16G.1 TP10G.1
CVF8: D3I.A F4.2 J8H.1 Q1I.S R16H.1 TP10H.1
CVF9: D3J.A F3.2 J8I.1 Q1J.S R16I.1 TP10I.1
CVF10: F2.2 J8J.1 R16J.1 TP10J.1
"DSG EN": U8.1 U9.6
"DSG MOSFET": Q2.G R20.1 R23.2
GND: C1.1 C2.1 C3.1 C4.1 C5.1 C6.1 C7.1 C8.1 C10.1 C13.K C14.1 C15.1 C16A.1 C19.1 C20.1 C21.1 C23.1 C24.1 C26.1 C27.1 C28.1 D2.A F13.2 J1.3 J1.5 J1.9 J2.10 J3.10 J7A.3 J7A.5 J7B.3 J7B.5 J7C.3 J7C.5 J7D.3 J7D.5 P1.3 P2.3 R14.1 R15.1 R29.1 R31.1 R34.1 R36.1 SW1.1 U1.8 U1.23 U1.35 U1.47 U2.2 U5.4 U7.2 U8.3 U8.28 U8.29 U9.4 U9.5 U9.7 U9.8 U9.9 U10.2 U11.2
"ISO 3V3": C9.2 C11.2 J2.5@4190,3845 J3.5@3345,3845 J6.1 U5.8 U6.3
"ISO CAN RX": TP5.1 U5.6 U6.4
"ISO CAN TX": TP2.1 U5.7 U6.1
"ISO GND": C9.1 C11.1 D1.3 J2.2@4090,3645 J2.6@4090,3845 J3.2@3245,3645 J3.6@3245,3845 U4.2 U5.5 U6.2 U6.8
LED0: DS1.2 J3.6@2765,715 U1.27
LED1: DS2.2 J3.8@2765,765 U1.28
nALARM: U1.15 U3.2
NetC16B_1: C16A.2 C16B.1 R16A.2 R17B.2 U8.26
NetC16C_1: C16B.2 C16C.1 R16B.2 R17C.2 U8.25
NetC16D_1: C16C.2 C16D.1 R16C.2 R17D.2 U8.24
NetC16E_1: C16D.2 C16E.1 R16D.2 R17E.2 U8.23
NetC16E_2: C16E.2 D6.A R16E.2 U8.22
NetC16G_1: C16F.2 C16G.1 R16F.2 R17G.2 U8.20
NetC16H_1: C16G.2 C16H.1 R16G.2 R17H.2 U8.19
NetC16I_1: C16H.2 C16I.1 R16H.2 R17I.2 U8.18
NetC16J_1: C16I.2 C16J.1 R16I.2 R17J.2 U8.17
NetC16J_2: C16J.2 D4.A R16J.2 U8.16
NetC17_2: C17.2 D4.K R18.1 U8.15
NetC18_2: C18.2 U8.11 U8.12 U8.14
NetC21_2: C21.2 Q3.S TP13.1 U8.9
NetC22_1: C22.1 C23.2 R26.1 U9.2
NetC22_2: C22.2 U9.1
NetC24_2: C24.2 U8.7
NetC25_2: C25.2 R17F.2 R27.2 U8.21
NetC26_2: C26.2 R17A.2 R33.2 U8.27
NetD3A_K: D3A.K Q1A.G R17A.1 TP11A.1
NetD3B_K: D3B.K Q1B.G R17B.1 TP11B.1
NetD3C_K: D3C.K Q1C.G R17C.1 TP11C.1
NetD3D_K: D3D.K Q1D.G R17D.1 TP11D.1
NetD3E_K: D3E.K Q1E.G R17E.1 TP11E.1
NetD3F_K: D3F.K Q1F.G R17F.1 TP11F.1
NetD3G_K: D3G.K Q1G.G R17G.1 TP11G.1
NetD3H_K: D3H.K Q1H.G R17H.1 TP11H.1
NetD3I_K: D3I.K Q1I.G R17I.1 TP11I.1
NetD3J_K: D3J.K Q1J.G R17J.1 TP11J.1
NetD5_A: D5.A R19.1 R21.2
NetD5_K: D5.K Q3.D R21.1
NetDS1_1: DS1.1 R4.1
NetDS2_1: DS2.1 R5.1
NetF1_2: F1.2 Q2.D R18.2 R19.2 R26.2
NetJ5_2: J5.2 R10.2
NetJ7A_4: J7A.4 R11A.2
NetJ7B_4: J7B.4 R11B.2
NetJ7C_4: J7C.4 R11C.2
NetJ7D_4: J7D.4 R11D.2
NetJ8A_2: J8A.2 Q1A.D
NetJ8B_2: J8B.2 Q1B.D
NetJ8C_2: J8C.2 Q1C.D
NetJ8D_2: J8D.2 Q1D.D
NetJ8E_2: J8E.2 Q1E.D
NetJ8F_2: J8F.2 Q1F.D
NetJ8G_2: J8G.2 Q1G.D
NetJ8H_2: J8H.2 Q1H.D
NetJ8I_2: J8I.2 Q1I.D
NetJ8J_2: J8J.2 Q1J.D
NetQ3_G: Q3.G R25.1
NetR1_1: R1.1 SW?.1
NetR2_1: R2.1 SW?.2
NetR6_1: R6.1 U3.1
NetR7_2: R7.2 U4.1
NetR22_2: R22.2 U8.13
NetR23_1: R23.1 U9.12
NetR28_1: R28.1 U2.5 U11.3
NetR29_2: R29.2 U1.44
NetR32_1: R32.1 TP16.1 U8.30
NetR36_2: R36.2 U1.2 U10.1
NetR37_1: R37.1 SW?.3
NetR38_1: R38.1 SW?.4
NRST: C8.2 J1.10 R3.1 SW1.2 U1.7
"OSC IN": U1.5 U10.3
"PWR CB": C12.1 U7.1
"PWR FB": R13.1 R15.2 TP9.1 U7.3
"PWR SHDN": R12.1 R14.2 U7.4
"PWR SW": C12.2 D2.K L1.1 TP8.1 U7.6
SWCLK: J1.4 U1.37
SWDIO: J1.2 U1.34
TEMP1: J2.3@3080,665 R11A.1 U1.38
TEMP2: J3.3@2815,665 R11B.1 U1.13
TEMP3: J2.4@3030,665 R11C.1 U1.39
TEMP4: J2.5@3080,715 R11D.1 U1.40
TEMP5: J2.6@3030,715 P2.2 U1.41
"TEMP SOC": J3.1@2815,615 J7A.2 J7B.2 J7C.2 J7D.2 P2.4 U1.14
"USART1 RX": J2.2@3030,615 J3.2@2765,615 P1.2 U1.31
"USART1 TX": J2.1@3080,615 J3.4@2765,665 P1.1 U1.30
VC5X: C16F.1 C17.1 C18.1 C20.2 C25.1 D6.K R22.1 R24.1 R25.2 TP12.1 U8.10
pads on no net: *.1 *.2 *.3 *.4 *.5 *.6 *.7 *.8 *.9 *.10 *.11 *.12 *.13 *.14 *.15 *.16 *.17 *.18 *.19 *.20 *.21 *.22 *.23 *.24 *.25 *.26 *.27 *.28 *.29 *.30 *.31 *.32 *.33 *.34 *.35 *.36 *.37 *.38 *.39 *.40 *.41 *.42 *.43 *.44 *.45 *.46 *.47 *.48 *.49 *.50 *.51 *.52 *.53 *.54 *.55 *.56 *.57 *.58 *.59 *.60 *.61 *.62 *.63 *.64 *.65 *.66 *.67 *.68 *.69 *.70 *.71 *.72 *.73 *.74 *.75 *.76 *.77 *.78 *.79 *.80 *.81 *.82 *.83 *.84 *.85 *.86 *.87 *.88 *.89 *.90 *.91 *.92 *.93 *.94 *.95 *.96 *.97 *.98 *.99 *.100 FID1.1 FID2.1 FID3.1 FID4.1 J1.6 J1.7 J1.8 J2.9 J3.9 J9.NC J10.NC M1.1 M2.1 M3.1 M4.1 M5.0 M6.0 M7.0 M8.0 U1.3 U1.4 U1.6 U1.16 U1.17 U1.29 U1.45 U2.4 U8.2 U9.3 U9.10 U9.11 U9.13 U9.14 U9.15 U9.16 U11.4

## Silkscreen, mask and mechanical layers (free items; w line width, h text height)
Mechanical 1:
  the board outline again, w0.5

## Text inside footprints (layer, text, board x,y; h text height)
J7A: Top Overlay "1" at 3044,10631 h40 r90; Top Overlay "6" at 3044,10916 h40 r90
J7B: Top Overlay "1" at 3044,11306 h40 r90; Top Overlay "6" at 3044,11591 h40 r90
J7C: Top Overlay "1" at 3044,11981 h40 r90; Top Overlay "6" at 3044,12266 h40 r90
J7D: Top Overlay "1" at 3044,12656 h40 r90; Top Overlay "6" at 3044,12941 h40 r90
LOGO1: Top Overlay "H" at 6271.3,856.3 h400
LOGO2: Top Overlay "H" at 5431.3,856.3 h400
LYID1: Top Layer "1" at 5140,1460 h60; Bottom Layer "2" at 5220,1460 h60
U1: Top Overlay "STM32 / F042 / C6" at 1595,1713.25 h40